# KiCad board panel.kicad_pcb
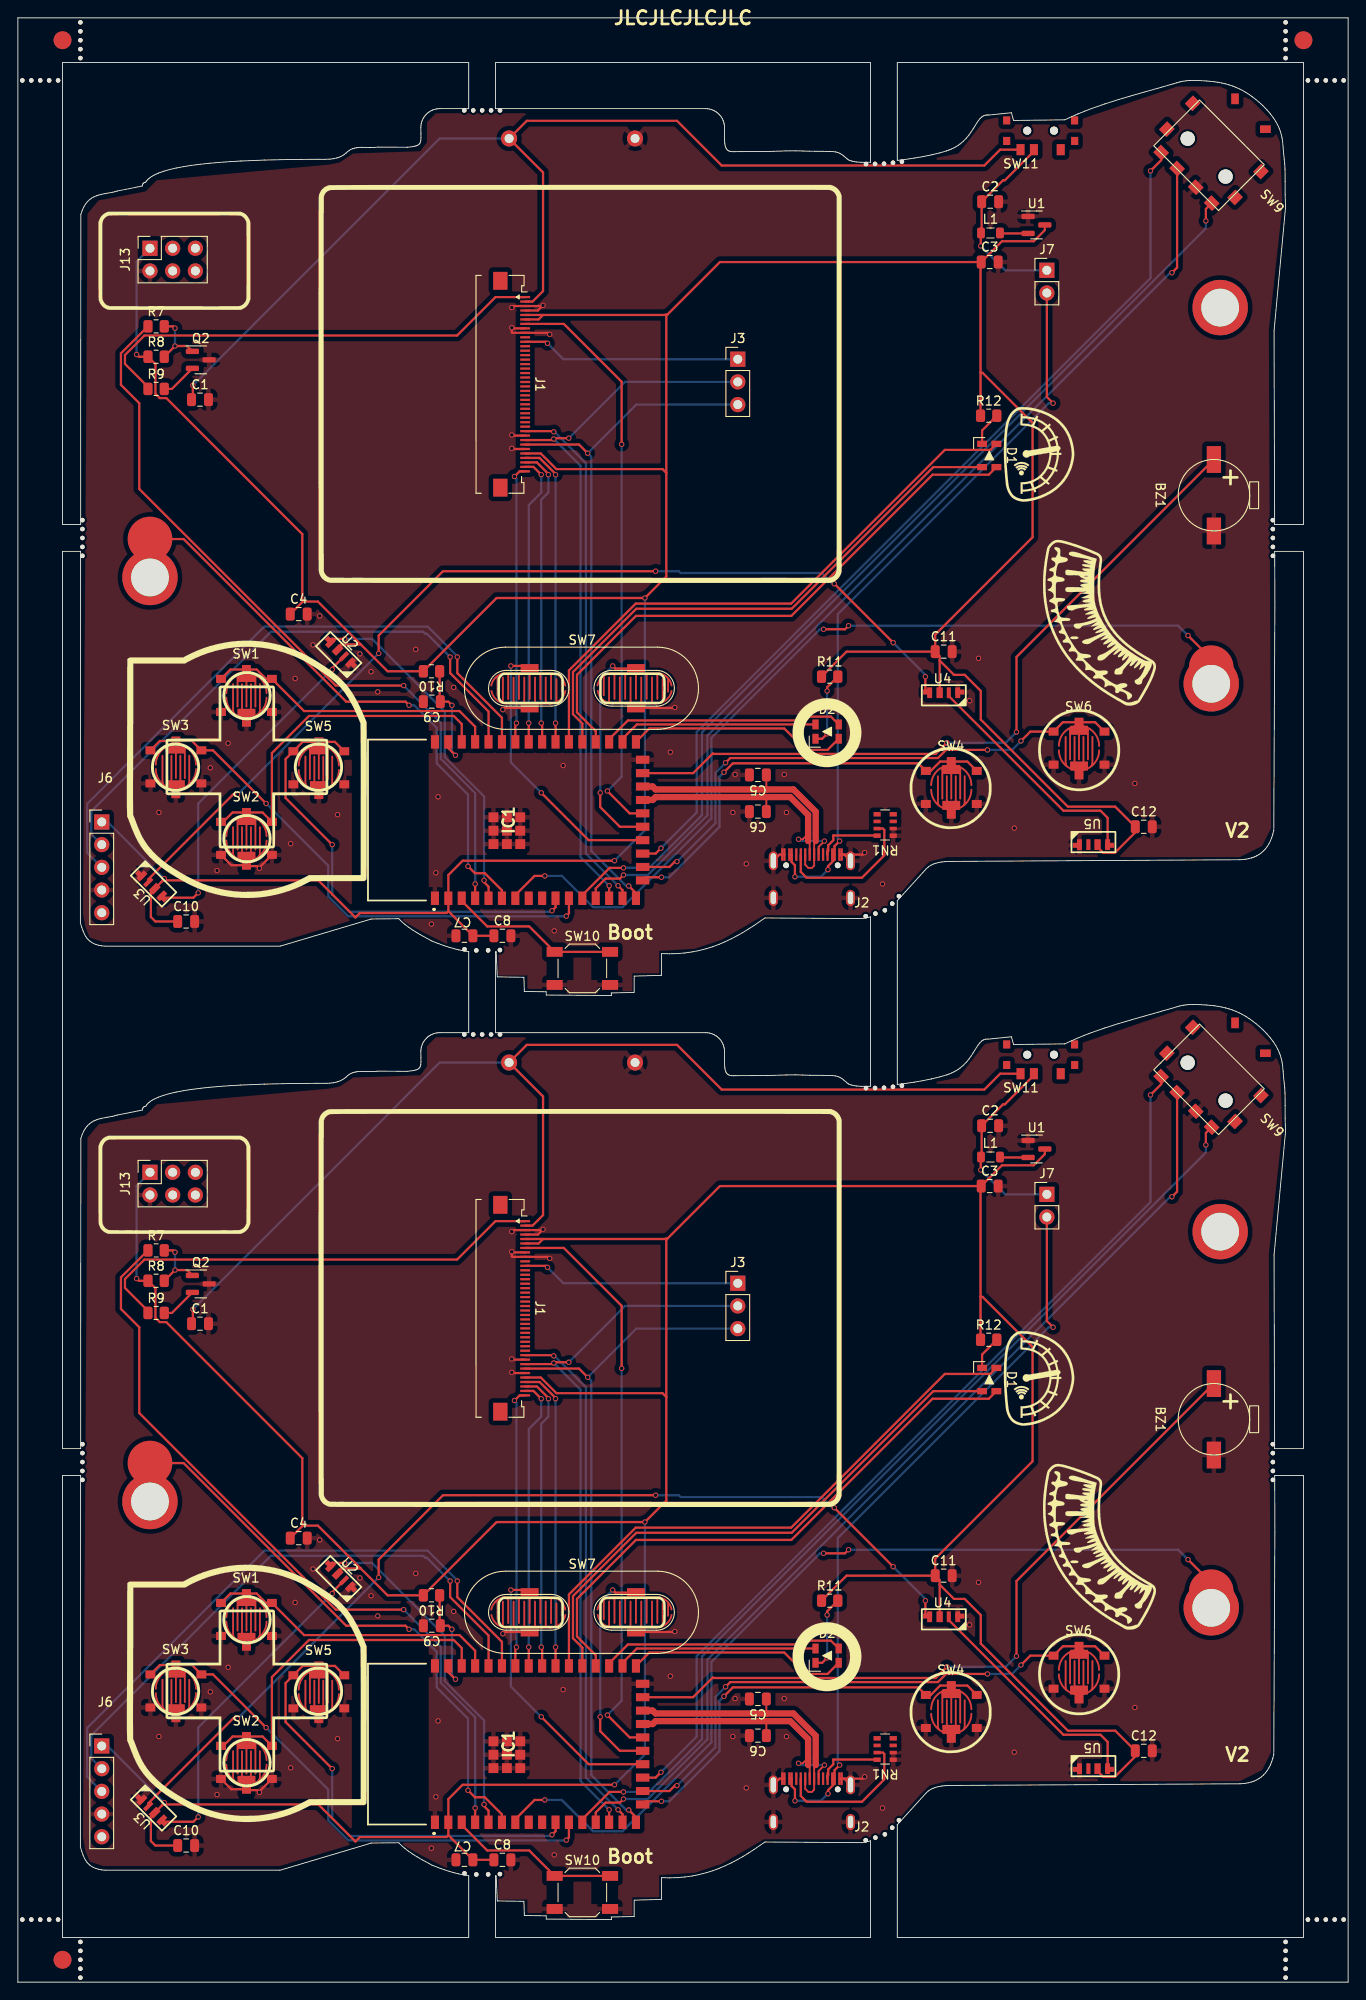
[diagram p0: board, top side]
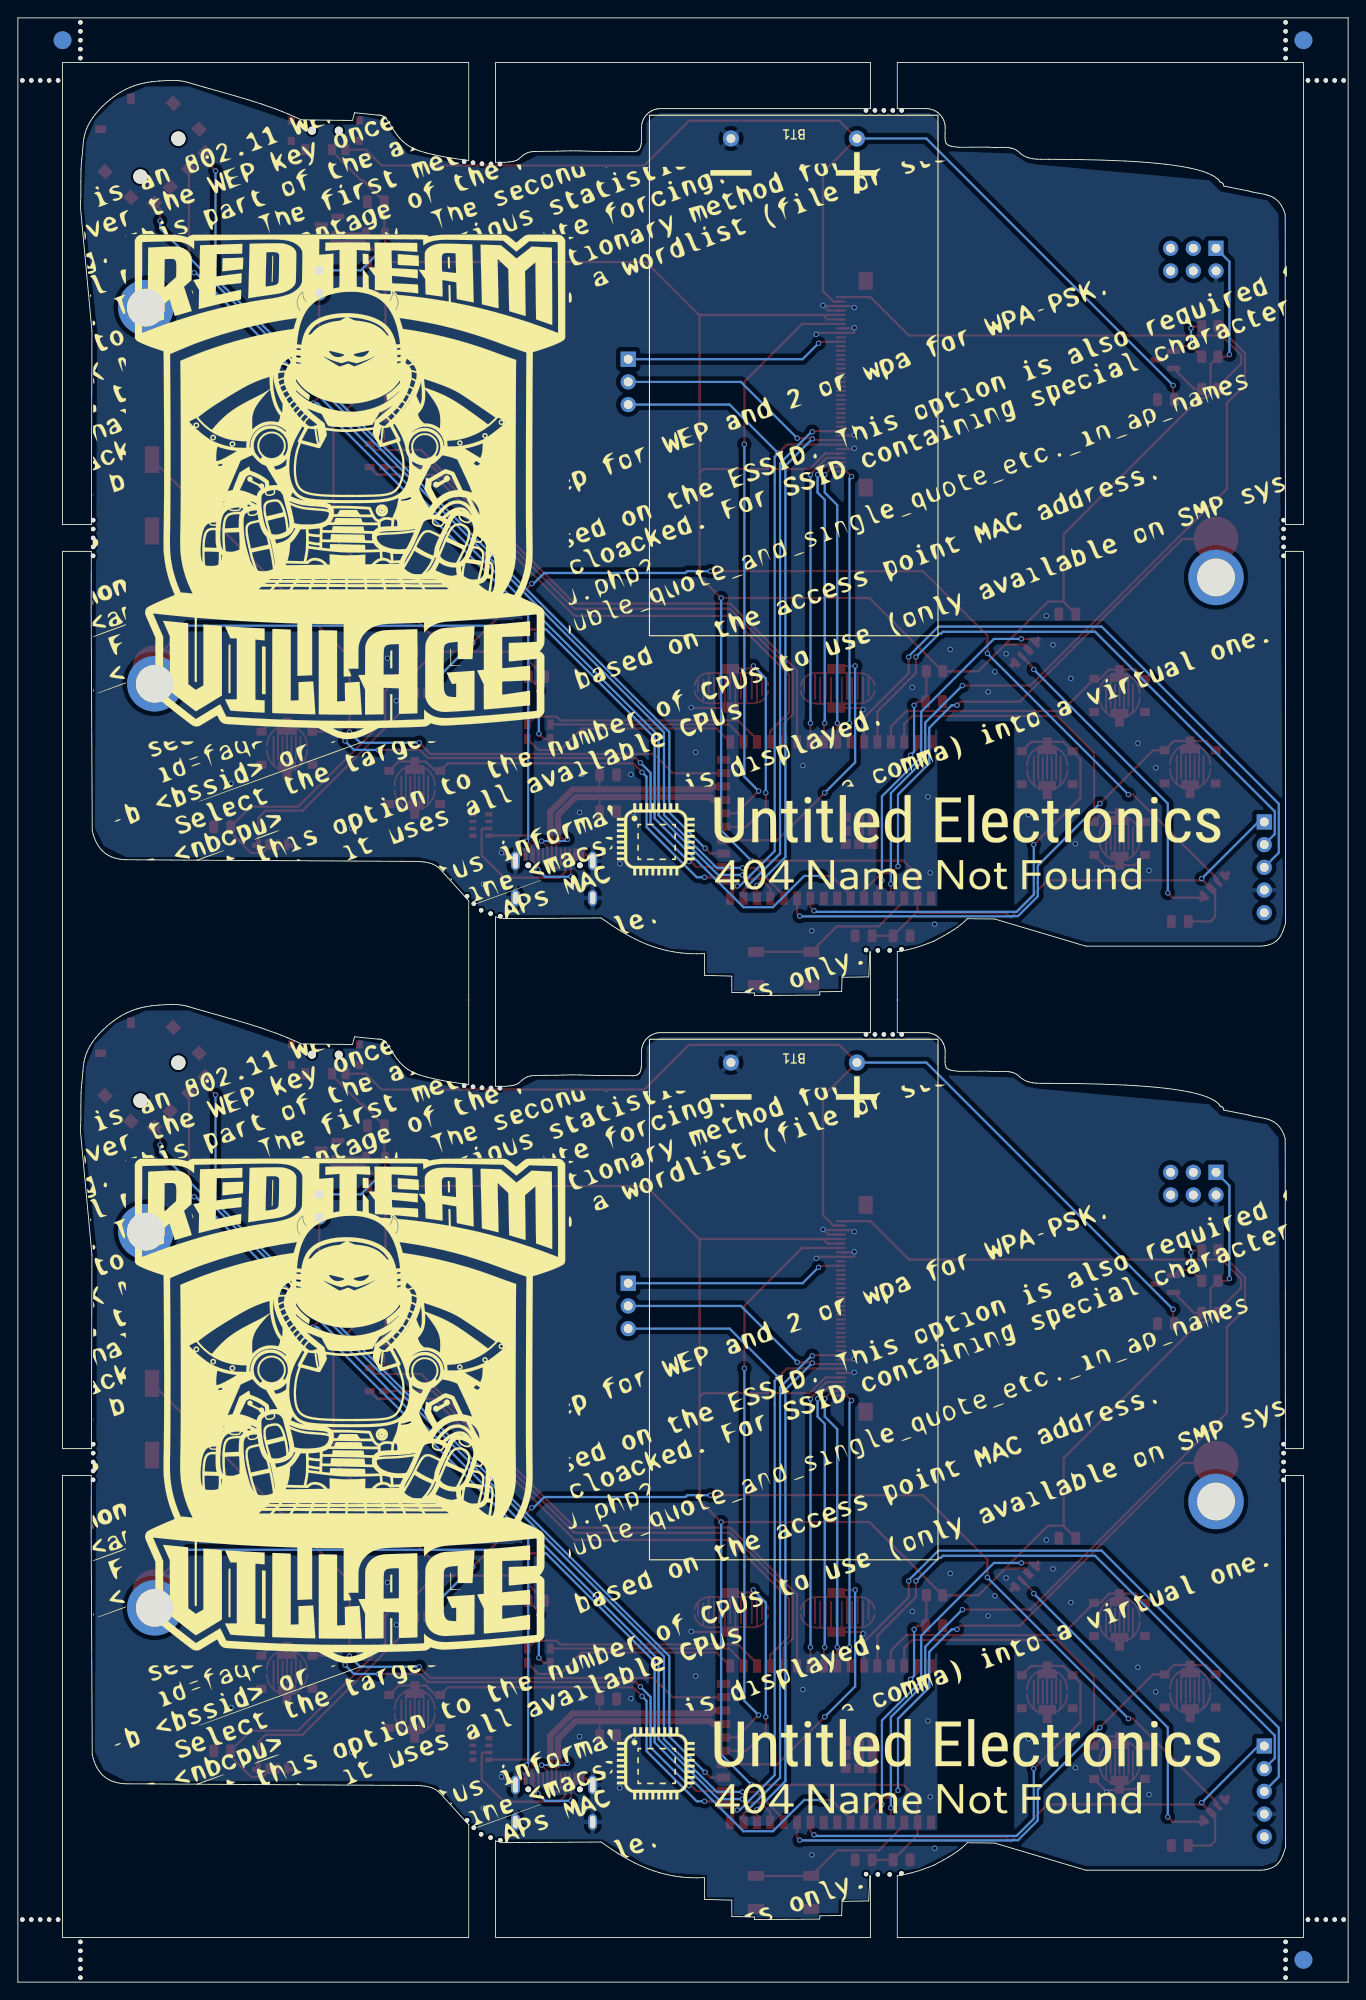
[diagram p1: board, bottom side, seen from below]

Outline 148.91 x 219.82 mm; copper layers: Top, Bottom. Coordinates in mm from the lower left corner of the outline.
Outline path: 0,219.82 0,0 148.91,0 148.91,219.82 0,219.82 ; 5,214.82 50.47,214.82 50.47,209.66 47.24,209.66 47.02,209.65 46.81,209.62 46.61,209.57 46.41,209.5 46.22,209.41 46.05,209.3 45.88,209.18 45.73,209.04 45.59,208.89 45.47,208.72 45.36,208.55 45.27,208.36 45.2,208.16 45.15,207.96 45.12,207.75 45.11,207.53 45.12,206.92 45.13,206.44 45.1,206.08 45.06,205.93 45.01,205.81 44.94,205.71 44.84,205.62 44.72,205.55 44.57,205.49 44.38,205.44 44.16,205.4 43.61,205.34 40.32,205.35 39.89,205.32 39.43,205.32 38.52,205.33 38.08,205.31 37.86,205.28 37.66,205.23 37.46,205.17 37.27,205.09 37.09,204.99 36.92,204.86 36.74,204.69 36.54,204.54 36.35,204.41 36.15,204.31 35.94,204.22 35.74,204.15 35.31,204.06 34.87,204.01 34.42,203.99 33.47,203.99 30.44,203.97 27.59,203.91 24.95,203.8 23.72,203.73 22.55,203.64 21.45,203.55 20.41,203.44 19.44,203.31 18.55,203.17 17.73,203.02 16.98,202.84 16.32,202.66 15.74,202.45 15.25,202.22 15.04,202.11 14.85,201.98 14.68,201.85 14.54,201.72 14.42,201.58 14.32,201.44 14.22,201.41 14.13,201.38 14.06,201.32 14.01,201.26 13.97,201.18 13.92,201 11.12,200.44 10.84,200.36 10.55,200.29 9.96,200.19 9.37,200.07 9.08,200 8.8,199.91 8.52,199.79 8.26,199.65 8.01,199.46 7.78,199.24 7.57,198.97 7.37,198.64 7.2,198.26 7.05,197.81 7.03,163.11 5,163.11 5,214.82 ; 5,160.11 7.02,160.11 7,118.51 7.14,118.07 7.3,117.63 7.48,117.22 7.6,117.02 7.73,116.83 7.88,116.66 8.05,116.5 8.25,116.36 8.48,116.23 8.75,116.12 9.04,116.04 9.38,115.97 9.76,115.93 29.36,115.94 39.56,118.97 42.64,119.01 42.96,118.68 43.34,118.36 43.76,118.04 44.22,117.73 44.71,117.42 45.24,117.11 46.36,116.5 47.05,116.23 47.69,116 48.28,115.81 48.83,115.65 49.34,115.53 49.82,115.43 50.26,115.36 50.47,115.33 50.47,106.25 47.24,106.25 47.02,106.24 46.81,106.21 46.61,106.16 46.41,106.09 46.22,106 46.05,105.89 45.88,105.77 45.73,105.63 45.59,105.48 45.47,105.31 45.36,105.14 45.27,104.95 45.2,104.75 45.15,104.55 45.12,104.34 45.11,104.12 45.12,103.51 45.13,103.03 45.1,102.67 45.06,102.52 45.01,102.4 44.94,102.3 44.84,102.21 44.72,102.14 44.57,102.08 44.38,102.03 44.16,102 43.61,101.93 40.32,101.95 39.89,101.91 39.43,101.91 38.52,101.92 38.08,101.9 37.86,101.87 37.66,101.82 37.46,101.76 37.27,101.68 37.09,101.58 36.92,101.45 36.74,101.28 36.54,101.13 36.35,101 36.15,100.9 35.94,100.81 35.74,100.74 35.31,100.65 34.87,100.6 34.42,100.58 33.47,100.59 30.44,100.56 27.59,100.5 24.95,100.39 23.72,100.32 22.55,100.23 21.45,100.14 20.41,100.03 19.44,99.9 18.55,99.76 17.73,99.61 16.98,99.43 16.32,99.25 15.74,99.04 15.25,98.81 15.04,98.7 14.85,98.57 14.68,98.44 14.54,98.31 14.42,98.17 14.32,98.03 14.22,98 14.13,97.97 14.06,97.91 14.01,97.85 13.97,97.77 13.92,97.59 11.12,97.03 10.84,96.95 10.55,96.88 9.96,96.78 9.37,96.66 9.08,96.59 8.8,96.5 8.52,96.38 8.26,96.24 8.01,96.05 7.78,95.83 7.57,95.56 7.37,95.23 7.2,94.85 7.05,94.4 7.03,59.7 5,59.7 5,160.11 ; 5,56.7 7.02,56.7 7,15.1 7.14,14.66 7.3,14.22 7.48,13.81 7.6,13.61 7.73,13.42 7.88,13.25 8.05,13.09 8.25,12.95 8.48,12.82 8.75,12.71 9.04,12.63 9.38,12.56 9.76,12.53 29.36,12.53 39.56,15.56 42.64,15.6 42.96,15.27 43.34,14.95 43.76,14.63 44.22,14.32 44.71,14.01 45.24,13.7 46.36,13.09 47.05,12.82 47.69,12.59 48.28,12.4 48.83,12.24 49.34,12.12 49.82,12.02 50.26,11.95 50.47,11.92 50.47,5 5,5 5,56.7 ; 13.16,157.21 13.16,157.37 13.19,157.53 13.23,157.69 13.28,157.84 13.35,157.98 13.43,158.12 13.53,158.25 13.64,158.37 13.76,158.48 13.89,158.58 14.03,158.66 14.17,158.73 14.33,158.78 14.48,158.82 14.64,158.85 14.81,158.86 14.97,158.85 15.13,158.82 15.28,158.78 15.44,158.73 15.58,158.66 15.72,158.58 15.85,158.48 15.97,158.37 16.08,158.25 16.18,158.12 16.26,157.98 16.33,157.84 16.38,157.69 16.42,157.53 16.45,157.37 16.45,157.21 16.45,157.04 16.42,156.88 16.38,156.73 16.33,156.57 16.26,156.43 16.18,156.29 16.08,156.16 15.97,156.04 15.85,155.93 15.72,155.83 15.58,155.75 15.44,155.68 15.28,155.63 15.13,155.59 14.97,155.56 14.81,155.56 14.64,155.56 14.48,155.59 14.33,155.63 14.17,155.68 14.03,155.75 13.89,155.83 13.76,155.93 13.64,156.04 13.53,156.16 13.43,156.29 13.35,156.43 13.28,156.57 13.23,156.73 13.19,156.88 13.16,157.04 13.16,157.21 ; 13.16,53.8 13.16,53.96 13.19,54.12 13.23,54.28 13.28,54.43 13.35,54.57 13.43,54.71 13.53,54.84 13.64,54.96 13.76,55.07 13.89,55.17 14.03,55.25 14.17,55.32 14.33,55.38 14.48,55.41 14.64,55.44 14.81,55.45 14.97,55.44 15.13,55.41 15.28,55.38 15.44,55.32 15.58,55.25 15.72,55.17 15.85,55.07 15.97,54.96 16.08,54.84 16.18,54.71 16.26,54.57 16.33,54.43 16.38,54.28 16.42,54.12 16.45,53.96 16.45,53.8 16.45,53.63 16.42,53.47 16.38,53.32 16.33,53.17 16.26,53.02 16.18,52.88 16.08,52.75 15.97,52.63 15.85,52.52 15.72,52.42 15.58,52.34 15.44,52.27 15.28,52.22 15.13,52.18 14.97,52.15 14.81,52.15 14.64,52.15 14.48,52.18 14.33,52.22 14.17,52.27 14.03,52.34 13.89,52.42 13.76,52.52 13.64,52.63 13.53,52.75 13.43,52.88 13.35,53.02 13.28,53.17 13.23,53.32 13.19,53.47 13.16,53.63 13.16,53.8 ; 53.47,214.82 95.44,214.82 95.44,203.66 94.42,203.65 93.84,203.7 93.59,203.74 93.36,203.79 93.16,203.85 92.99,203.93 92.85,204.02 92.74,204.12 92.43,204.38 92.26,204.51 92.06,204.64 91.83,204.74 91.54,204.82 91.2,204.86 90.79,204.86 90.07,204.89 88.64,204.9 87.88,204.92 87.01,204.94 86,204.93 83.96,204.87 80.33,204.85 80.09,204.84 79.89,204.85 79.71,204.89 79.56,204.94 79.44,205.02 79.34,205.13 79.27,205.25 79.21,205.4 79.16,205.58 79.13,205.78 79.11,206.26 79.11,207.53 79.1,207.75 79.06,207.96 79.01,208.16 78.94,208.36 78.85,208.55 78.74,208.72 78.62,208.89 78.48,209.04 78.33,209.18 78.17,209.3 77.99,209.41 77.8,209.5 77.61,209.57 77.4,209.62 77.19,209.65 76.97,209.66 53.47,209.66 53.47,214.82 ; 53.47,115.29 53.54,115.29 53.67,112.5 56.65,112.45 56.7,110.87 59.14,110.83 59.15,110.47 66.46,110.41 66.43,110.7 68.99,110.76 69,112.58 72.04,112.67 72.05,115.1 72.96,115.08 73.84,115.1 74.69,115.18 75.5,115.29 76.29,115.45 77.05,115.65 77.78,115.88 78.5,116.14 79.19,116.44 79.86,116.76 80.52,117.1 81.16,117.47 81.79,117.85 82.41,118.25 83.62,119.09 94.48,119.02 95.17,119.15 95.44,119.22 95.44,100.25 94.42,100.24 93.84,100.29 93.59,100.33 93.36,100.38 93.16,100.44 92.99,100.52 92.85,100.61 92.74,100.71 92.43,100.97 92.26,101.1 92.06,101.23 91.83,101.33 91.54,101.41 91.2,101.45 90.79,101.45 90.07,101.48 88.64,101.49 87.88,101.51 87.01,101.53 86,101.52 83.96,101.46 80.33,101.44 80.09,101.43 79.89,101.44 79.71,101.48 79.56,101.53 79.44,101.61 79.34,101.72 79.27,101.84 79.21,101.99 79.16,102.17 79.13,102.37 79.11,102.85 79.11,104.12 79.1,104.34 79.06,104.55 79.01,104.75 78.94,104.95 78.85,105.14 78.74,105.31 78.62,105.48 78.48,105.63 78.33,105.77 78.17,105.89 77.99,106 77.8,106.09 77.61,106.16 77.4,106.21 77.19,106.24 76.97,106.25 53.47,106.25 53.47,115.29 ; 53.47,11.88 53.54,11.88 53.67,9.09 56.65,9.04 56.7,7.46 59.14,7.42 59.15,7.06 66.46,7 66.43,7.29 68.99,7.35 69,9.17 72.04,9.26 72.05,11.69 72.96,11.67 73.84,11.69 74.69,11.77 75.5,11.88 76.29,12.04 77.05,12.24 77.78,12.47 78.5,12.73 79.19,13.03 79.86,13.35 80.52,13.69 81.16,14.06 81.79,14.44 82.41,14.84 83.62,15.68 94.48,15.61 95.17,15.74 95.44,15.81 95.44,5 53.47,5 53.47,11.88 ; 98.44,214.82 143.91,214.82 143.91,163.11 140.69,163.11 140.62,184.79 141.91,198.67 141.88,199.33 141.87,200.03 141.86,201.51 141.85,202.9 141.82,203.5 141.76,204.01 141.68,204.69 141.64,205.35 141.57,206.03 141.52,206.37 141.44,206.72 141.34,207.08 141.2,207.45 141.03,207.83 140.81,208.23 140.54,208.64 140.21,209.07 139.83,209.52 139.37,209.99 138.98,210.35 138.6,210.67 138.22,210.97 137.84,211.23 137.47,211.48 137.1,211.69 136.72,211.88 136.34,212.05 135.96,212.2 135.58,212.33 135.18,212.44 134.78,212.53 134.36,212.61 133.94,212.67 133.05,212.76 131.99,212.82 131.54,212.82 131.13,212.81 130.75,212.77 130.41,212.72 130.07,212.65 129.75,212.56 128,212.05 126.33,211.58 124.72,211.13 123.17,210.67 121.66,210.19 120.17,209.66 119.43,209.38 118.68,209.08 117.94,208.75 117.19,208.41 111.46,208.34 111.22,209.21 108.62,208.94 108.48,208.95 108.35,208.93 108.22,208.9 108.11,208.86 108,208.8 107.89,208.72 107.69,208.53 107.51,208.29 107.32,208.02 106.93,207.39 106.71,207.05 106.46,206.7 106.17,206.35 105.84,206.02 105.46,205.7 105.25,205.55 105.02,205.41 104.78,205.27 104.52,205.15 104.24,205.03 103.94,204.93 103.15,204.7 102.29,204.49 101.35,204.3 100.34,204.12 99.26,203.97 98.44,203.86 98.44,214.82 ; 98.44,121.02 101.69,124.6 101.92,124.8 102.18,124.97 102.46,125.11 102.77,125.22 103.09,125.3 103.43,125.35 103.78,125.39 104.14,125.42 136.82,125.61 137.16,125.63 137.49,125.67 137.8,125.73 138.11,125.81 138.4,125.92 138.68,126.04 138.95,126.2 139.2,126.38 139.43,126.58 139.65,126.82 139.85,127.08 140.04,127.38 140.21,127.71 140.35,128.07 140.48,128.46 140.59,128.9 140.71,153.79 140.69,160.11 143.91,160.11 143.91,59.7 140.69,59.7 140.62,81.38 141.91,95.26 141.88,95.92 141.87,96.62 141.86,98.1 141.85,99.49 141.82,100.09 141.76,100.6 141.68,101.28 141.64,101.95 141.57,102.62 141.52,102.96 141.44,103.31 141.34,103.67 141.2,104.04 141.03,104.42 140.81,104.82 140.54,105.23 140.21,105.66 139.83,106.11 139.37,106.58 138.98,106.94 138.6,107.26 138.22,107.56 137.84,107.82 137.47,108.07 137.1,108.28 136.72,108.47 136.34,108.64 135.96,108.79 135.58,108.92 135.18,109.03 134.78,109.12 134.36,109.2 133.94,109.26 133.05,109.35 131.99,109.41 131.54,109.41 131.13,109.4 130.75,109.36 130.41,109.31 130.07,109.24 129.75,109.15 128,108.64 126.33,108.17 124.72,107.72 123.17,107.26 121.66,106.78 120.17,106.25 119.43,105.97 118.68,105.67 117.94,105.34 117.19,105 111.46,104.93 111.22,105.8 108.62,105.53 108.48,105.54 108.35,105.52 108.22,105.5 108.11,105.45 108,105.39 107.89,105.31 107.69,105.12 107.51,104.89 107.32,104.61 106.93,103.98 106.71,103.64 106.46,103.29 106.17,102.95 105.84,102.61 105.46,102.29 105.25,102.14 105.02,102 104.78,101.86 104.52,101.74 104.24,101.62 103.94,101.52 103.15,101.29 102.29,101.08 101.35,100.89 100.34,100.71 99.26,100.56 98.44,100.45 98.44,121.02 ; 98.44,17.61 101.69,21.19 101.92,21.39 102.18,21.56 102.46,21.7 102.77,21.81 103.09,21.89 103.43,21.94 103.78,21.98 104.14,22.01 136.82,22.2 137.16,22.22 137.49,22.26 137.8,22.32 138.11,22.4 138.4,22.51 138.68,22.63 138.95,22.79 139.2,22.97 139.43,23.17 139.65,23.41 139.85,23.67 140.04,23.97 140.21,24.3 140.35,24.66 140.48,25.05 140.59,25.49 140.71,50.38 140.69,56.7 143.91,56.7 143.91,5 98.44,5 98.44,17.61 ; 132.02,145.31 132.03,145.48 132.06,145.64 132.1,145.79 132.15,145.95 132.22,146.09 132.3,146.23 132.4,146.36 132.51,146.48 132.63,146.59 132.76,146.69 132.9,146.77 133.04,146.84 133.19,146.89 133.35,146.93 133.51,146.96 133.67,146.96 133.84,146.96 134,146.93 134.15,146.89 134.31,146.84 134.45,146.77 134.59,146.69 134.72,146.59 134.84,146.48 134.95,146.36 135.05,146.23 135.13,146.09 135.2,145.95 135.25,145.79 135.29,145.64 135.32,145.48 135.32,145.31 135.32,145.15 135.29,144.99 135.25,144.83 135.2,144.68 135.13,144.54 135.05,144.4 134.95,144.27 134.84,144.15 134.72,144.04 134.59,143.94 134.45,143.86 134.31,143.79 134.15,143.74 134,143.7 133.84,143.67 133.67,143.66 133.51,143.67 133.35,143.7 133.19,143.74 133.04,143.79 132.9,143.86 132.76,143.94 132.63,144.04 132.51,144.15 132.4,144.27 132.3,144.4 132.22,144.54 132.15,144.68 132.1,144.83 132.06,144.99 132.03,145.15 132.02,145.31 ; 132.02,41.91 132.03,42.07 132.06,42.23 132.1,42.38 132.15,42.54 132.22,42.68 132.3,42.82 132.4,42.95 132.51,43.07 132.63,43.18 132.76,43.28 132.9,43.36 133.04,43.43 133.19,43.48 133.35,43.52 133.51,43.55 133.67,43.55 133.84,43.55 134,43.52 134.15,43.48 134.31,43.43 134.45,43.36 134.59,43.28 134.72,43.18 134.84,43.07 134.95,42.95 135.05,42.82 135.13,42.68 135.2,42.54 135.25,42.38 135.29,42.23 135.32,42.07 135.32,41.91 135.32,41.74 135.29,41.58 135.25,41.43 135.2,41.27 135.13,41.13 135.05,40.99 134.95,40.86 134.84,40.74 134.72,40.63 134.59,40.53 134.45,40.45 134.31,40.38 134.15,40.33 134,40.29 133.84,40.26 133.67,40.26 133.51,40.26 133.35,40.29 133.19,40.33 133.04,40.38 132.9,40.45 132.76,40.53 132.63,40.63 132.51,40.74 132.4,40.86 132.3,40.99 132.22,41.13 132.15,41.27 132.1,41.43 132.06,41.58 132.03,41.74 132.02,41.91 ; 132.96,187.39 132.97,187.56 132.99,187.72 133.03,187.88 133.09,188.03 133.16,188.18 133.24,188.31 133.34,188.44 133.44,188.56 133.56,188.66 133.69,188.76 133.82,188.84 133.97,188.91 134.12,188.97 134.28,189.01 134.44,189.03 134.61,189.04 134.78,189.03 134.94,189.01 135.1,188.97 135.25,188.91 135.4,188.84 135.53,188.76 135.66,188.66 135.78,188.56 135.88,188.44 135.98,188.31 136.06,188.18 136.13,188.03 136.19,187.88 136.23,187.72 136.25,187.56 136.26,187.39 136.25,187.23 136.23,187.07 136.19,186.91 136.13,186.76 136.07,186.61 135.98,186.48 135.89,186.35 135.78,186.22 135.66,186.11 135.52,186.02 135.39,185.94 135.24,185.87 135.09,185.81 134.93,185.77 134.77,185.75 134.61,185.74 134.45,185.75 134.29,185.77 134.13,185.81 133.98,185.87 133.83,185.94 133.69,186.02 133.56,186.11 133.44,186.22 133.33,186.35 133.24,186.48 133.15,186.61 133.09,186.76 133.03,186.91 132.99,187.07 132.97,187.23 132.96,187.39 ; 132.96,83.98 132.97,84.15 132.99,84.31 133.03,84.47 133.09,84.62 133.16,84.77 133.24,84.9 133.34,85.03 133.44,85.15 133.56,85.25 133.69,85.35 133.82,85.43 133.97,85.5 134.12,85.56 134.28,85.6 134.44,85.62 134.61,85.63 134.78,85.62 134.94,85.6 135.1,85.56 135.25,85.5 135.4,85.43 135.53,85.35 135.66,85.25 135.78,85.15 135.88,85.03 135.98,84.9 136.06,84.77 136.13,84.62 136.19,84.47 136.23,84.31 136.25,84.15 136.26,83.98 136.25,83.82 136.23,83.66 136.19,83.5 136.13,83.35 136.07,83.2 135.98,83.07 135.89,82.94 135.78,82.81 135.66,82.7 135.52,82.61 135.39,82.53 135.24,82.46 135.09,82.4 134.93,82.36 134.77,82.34 134.61,82.33 134.45,82.34 134.29,82.36 134.13,82.4 133.98,82.46 133.83,82.53 133.69,82.61 133.56,82.7 133.44,82.81 133.33,82.94 133.24,83.07 133.15,83.2 133.09,83.35 133.03,83.5 132.99,83.66 132.97,83.82 132.96,83.98
Stack: Top 0.035mm / dielectric 1.51mm FR4 er 4.5 / Bottom 0.035mm

## Placement (name value [footprint] x y rotation side)
BT1  Battery  [AA_TH]  62.04 102.91 180 bottom
BT1#2  Battery  [AA_TH]  62.04 206.32 180 bottom
BZ1  Buzzer  [FUET-9032-Buzzer]  133.89 66.99 270 top
BZ1#2  Buzzer  [FUET-9032-Buzzer]  133.89 170.4 270 top
C1  1uF  [C_0805_2012Metric]  20.39 73.69 0 top
C1#2  1uF  [C_0805_2012Metric]  20.39 177.1 0 top
C2  10uF  [C_0805_2012Metric]  108.84 95.84 0 top
C2#2  10uF  [C_0805_2012Metric]  108.84 199.25 0 top
C3  22uF  [C_0805_2012Metric]  108.79 89.09 0 top
C3#2  22uF  [C_0805_2012Metric]  108.79 192.5 0 top
C4  100nF  [C_0805_2012Metric]  31.44 153.1 0 top
C4#2  100nF  [C_0805_2012Metric]  31.44 49.69 0 top
C5  20pF  [C_0805_2012Metric]  82.84 135.1 180 top
C5#2  20pF  [C_0805_2012Metric]  82.84 31.69 180 top
C6  20pF  [C_0805_2012Metric]  82.84 131 180 top
C6#2  20pF  [C_0805_2012Metric]  82.84 27.59 180 top
C7  22uF  [C_0805_2012Metric]  49.99 117.1 180 top
C7#2  22uF  [C_0805_2012Metric]  49.99 13.69 180 top
C8  100nF  [C_0805_2012Metric]  54.24 13.69 0 top
C8#2  100nF  [C_0805_2012Metric]  54.24 117.1 0 top
C9  100nF  [C_0805_2012Metric]  46.34 143.3 180 top
C9#2  100nF  [C_0805_2012Metric]  46.34 39.89 180 top
C10  100nF  [C_0805_2012Metric]  18.84 118.7 0 top
C10#2  100nF  [C_0805_2012Metric]  18.84 15.29 0 top
C11  100nF  [C_0805_2012Metric]  103.64 45.49 0 top
C11#2  100nF  [C_0805_2012Metric]  103.64 148.9 0 top
C12  100nF  [C_0805_2012Metric]  126.04 129.3 0 top
C12#2  100nF  [C_0805_2012Metric]  126.04 25.89 0 top
D1  LED_RGBA  [XL-3227RGB_LED]  108.74 170.85 270 top
D1#2  LED_RGBA  [XL-3227RGB_LED]  108.74 67.44 270 top
D2  LED_RGBA  [XL-3227RGB_LED]  90.59 36.54 0 top
D2#2  LED_RGBA  [XL-3227RGB_LED]  90.59 139.95 0 top
G***  -  [LOGO]  47.88 143.64 0 top
G***#2  -  [LOGO]  47.88 143.64 0 top
G***#3  -  [LOGO]  47.88 40.23 0 top
G***#4  -  [LOGO]  47.88 143.64 0 top
G***#5  -  [LOGO]  47.88 40.23 0 top
G***#6  -  [LOGO]  47.88 143.64 0 top
G***#7  -  [LOGO]  47.88 143.64 0 top
G***#8  -  [LOGO]  47.88 143.64 0 top
G***#9  -  [LOGO]  47.88 40.23 0 top
G***#10  -  [LOGO]  47.88 40.23 0 top
G***#11  -  [LOGO]  47.88 143.64 0 top
G***#12  -  [LOGO]  47.88 40.23 0 top
G***#13  -  [LOGO]  47.88 40.23 0 top
G***#14  -  [LOGO]  47.88 40.23 0 top
IC1  ESP32-S2-WROOM-I_M22S2H3200US3Q0_  [ESP32S2WROOMIM22S2H3200US3Q0]  54.74 25.45 90 top
IC1#2  ESP32-S2-WROOM-I_M22S2H3200US3Q0_  [ESP32S2WROOMIM22S2H3200US3Q0]  54.74 128.86 90 top
J1  2.8" Display  [Omron_XF2M-4015-1A_1x40-1MP_P0.5mm_Horizontal]  54.74 75.41 270 top
J1#2  2.8" Display  [Omron_XF2M-4015-1A_1x40-1MP_P0.5mm_Horizontal]  54.74 178.82 270 top
J2  USB_C_Plug_USB2.0  [USB_C_Receptical-Jing]  88.89 125.48 0 top
J2#2  USB_C_Plug_USB2.0  [USB_C_Receptical-Jing]  88.89 22.07 0 top
J3  Conn_01x03  [PinHeader_1x03_P2.54mm_Vertical]  80.59 181.62 0 top
J3#2  Conn_01x03  [PinHeader_1x03_P2.54mm_Vertical]  80.59 78.21 0 top
J4  Cap Sense  [CapSense]  14.79 54.09 0 top
J4#2  Cap Sense  [CapSense]  14.79 157.5 0 top
J5  Cap Sense  [CapSense]  133.59 39.69 0 top
J5#2  Cap Sense  [CapSense]  133.59 143.1 0 top
J6  Conn_01x05  [PinHeader_1x05_P2.54mm_Vertical]  9.39 26.43 0 top
J6#2  Conn_01x05  [PinHeader_1x05_P2.54mm_Vertical]  9.39 129.84 0 top
J7  Conn_01x02  [PinHeader_1x02_P2.54mm_Vertical]  115.19 191.57 0 top
J7#2  Conn_01x02  [PinHeader_1x02_P2.54mm_Vertical]  115.19 88.16 0 top
J9  Conn_01x01  [Threaded_Standoffs]  133.79 38.79 0 top
J9#2  Conn_01x01  [Threaded_Standoffs]  133.79 142.2 0 top
J10  Conn_01x01  [Threaded_Standoffs]  134.79 80.89 0 top
J10#2  Conn_01x01  [Threaded_Standoffs]  134.79 184.3 0 top
J11  Conn_01x01  [Threaded_Standoffs]  14.99 154.1 0 top
J11#2  Conn_01x01  [Threaded_Standoffs]  14.99 50.69 0 top
J13  Conn_02x03_Odd_Even  [PinSocket_2x03_P2.54mm_Vertical]  14.79 194.04 90 top
J13#2  Conn_02x03_Odd_Even  [PinSocket_2x03_P2.54mm_Vertical]  14.79 90.63 90 top
L1  10uH  [L_0805_2012Metric]  108.88 195.75 0 top
L1#2  10uH  [L_0805_2012Metric]  108.88 92.34 0 top
Q2  Q_NPN_BCE  [SOT-23]  20.48 181.55 0 top
Q2#2  Q_NPN_BCE  [SOT-23]  20.48 78.14 0 top
R7  1k  [R_0805_2012Metric]  15.48 81.89 0 top
R7#2  1k  [R_0805_2012Metric]  15.48 185.3 0 top
R8  10k  [R_0805_2012Metric]  15.48 181.9 0 top
R8#2  10k  [R_0805_2012Metric]  15.48 78.49 0 top
R9  10R  [R_0805_2012Metric]  15.48 74.89 0 top
R9#2  10R  [R_0805_2012Metric]  15.48 178.3 0 top
R10  1k  [R_0805_2012Metric]  46.3 43.29 180 top
R10#2  1k  [R_0805_2012Metric]  46.3 146.7 180 top
R11  R_Small  [R_0805_2012Metric]  90.88 146.1 0 top
R11#2  R_Small  [R_0805_2012Metric]  90.88 42.69 0 top
R12  R_Small  [R_0805_2012Metric]  108.68 71.89 0 top
R12#2  R_Small  [R_0805_2012Metric]  108.68 175.3 0 top
REF**  -  [NPTH]  141.91 1.5 0 top
REF**#2  -  [NPTH]  97.88 120.69 0 top
REF**#3  -  [NPTH]  146.41 212.82 0 top
REF**#4  -  [NPTH]  7 218.32 0 top
REF**#5  -  [NPTH]  140.49 58.2 0 top
REF**#6  -  [NPTH]  147.41 7 0 top
REF**#7  -  [NPTH]  4.5 7 0 top
REF**#8  -  [NPTH]  53.97 115.5 0 top
REF**#9  -  [NPTH]  7 2.5 0 top
REF**#10  -  [NPTH]  140.49 161.61 0 top
REF**#11  -  [NPTH]  98.96 100.32 0 top
REF**#12  -  [NPTH]  4.5 212.82 0 top
REF**#13  -  [NPTH]  0.5 7 0 top
REF**#14  -  [NPTH]  51.97 106.05 0 top
REF**#15  -  [NPTH]  140.48 60.2 0 top
REF**#16  -  [NPTH]  7 4.5 0 top
REF**#17  -  [NPTH]  7 219.32 0 top
REF**#18  -  [NPTH]  98.63 18.12 0 top
REF**#19  -  [NPTH]  52.97 106.05 0 top
REF**#20  -  [NPTH]  141.91 217.32 0 top
REF**#21  -  [NPTH]  95.99 16.17 0 top
REF**#22  -  [NPTH]  140.48 163.61 0 top
REF**#23  -  [NPTH]  7.23 162.61 0 top
REF**#24  -  [NPTH]  148.41 212.82 0 top
REF**#25  -  [NPTH]  141.91 2.5 0 top
REF**#26  -  [NPTH]  7.23 60.2 0 top
REF**#27  -  [NPTH]  2.5 212.82 0 top
REF**#28  -  [NPTH]  141.91 0.5 0 top
REF**#29  -  [NPTH]  7.22 159.61 0 top
REF**#30  -  [NPTH]  7 217.32 0 top
REF**#31  -  [Fiducial]  5 217.32 0 top
REF**#32  -  [NPTH]  7.23 59.2 0 top
REF**#33  -  [NPTH]  7 3.5 0 top
REF**#34  -  [NPTH]  141.91 216.32 0 top
REF**#35  -  [NPTH]  97.96 100.2 0 top
REF**#36  -  [NPTH]  50 12.18 0 top
REF**#37  -  [NPTH]  51.97 209.46 0 top
REF**#38  -  [NPTH]  50.97 209.46 0 top
REF**#39  -  [NPTH]  140.5 56.2 0 top
REF**#40  -  [NPTH]  95.95 203.47 0 top
REF**#41  -  [NPTH]  144.41 212.82 0 top
REF**#42  -  [NPTH]  94.91 15.88 0 top
REF**#43  -  [NPTH]  141.91 219.32 0 top
REF**#44  -  [NPTH]  141.91 218.32 0 top
REF**#45  -  [NPTH]  50.97 106.05 0 top
REF**#46  -  [NPTH]  51.32 12.05 0 top
REF**#47  -  [NPTH]  140.49 160.61 0 top
REF**#48  -  [NPTH]  53.97 209.46 0 top
REF**#49  -  [NPTH]  7.23 161.61 0 top
REF**#50  -  [NPTH]  7.23 58.2 0 top
REF**#51  -  [NPTH]  141.91 4.5 0 top
REF**#52  -  [NPTH]  7.23 160.61 0 top
REF**#53  -  [NPTH]  95.99 119.58 0 top
REF**#54  -  [NPTH]  97.96 203.6 0 top
REF**#55  -  [NPTH]  1.5 212.82 0 top
REF**#56  -  [NPTH]  52.64 12.06 0 top
REF**#57  -  [NPTH]  144.41 7 0 top
REF**#58  -  [NPTH]  96.96 203.5 0 top
REF**#59  -  [NPTH]  148.41 7 0 top
REF**#60  -  [NPTH]  2.5 7 0 top
REF**#61  -  [NPTH]  3.5 7 0 top
REF**#62  -  [NPTH]  7.23 57.2 0 top
REF**#63  -  [NPTH]  140.49 162.61 0 top
REF**#64  -  [NPTH]  97.06 119.95 0 top
REF**#65  -  [NPTH]  53.97 12.09 0 top
REF**#66  -  [NPTH]  7 1.5 0 top
REF**#67  -  [NPTH]  7.23 163.61 0 top
REF**#68  -  [Fiducial]  5 2.5 0 top
REF**#69  -  [NPTH]  94.95 203.46 0 top
REF**#70  -  [NPTH]  145.41 7 0 top
REF**#71  -  [NPTH]  141.91 215.32 0 top
REF**#72  -  [NPTH]  7 216.32 0 top
REF**#73  -  [NPTH]  145.41 212.82 0 top
REF**#74  -  [NPTH]  98.96 203.73 0 top
REF**#75  -  [NPTH]  94.95 100.05 0 top
REF**#76  -  [NPTH]  53.97 106.05 0 top
REF**#77  -  [NPTH]  7 215.32 0 top
REF**#78  -  [NPTH]  147.41 212.82 0 top
REF**#79  -  [NPTH]  94.91 119.29 0 top
REF**#80  -  [NPTH]  50 115.59 0 top
REF**#81  -  [NPTH]  140.49 59.2 0 top
REF**#82  -  [NPTH]  96.96 100.09 0 top
REF**#83  -  [Fiducial]  143.91 217.32 0 top
REF**#84  -  [NPTH]  52.64 115.47 0 top
REF**#85  -  [NPTH]  146.41 7 0 top
REF**#86  -  [NPTH]  140.49 57.2 0 top
REF**#87  -  [NPTH]  1.5 7 0 top
REF**#88  -  [NPTH]  95.95 100.06 0 top
REF**#89  -  [NPTH]  0.5 212.82 0 top
REF**#90  -  [NPTH]  3.5 212.82 0 top
REF**#91  -  [NPTH]  49.97 209.46 0 top
REF**#92  -  [NPTH]  140.5 159.61 0 top
REF**#93  -  [NPTH]  52.97 209.46 0 top
REF**#94  -  [NPTH]  141.91 3.5 0 top
REF**#95  -  [NPTH]  97.88 17.28 0 top
REF**#96  -  [NPTH]  49.97 106.05 0 top
REF**#97  -  [NPTH]  7.22 56.2 0 top
REF**#98  -  [NPTH]  97.06 16.54 0 top
REF**#99  -  [NPTH]  51.32 115.46 0 top
REF**#100  -  [NPTH]  7 0.5 0 top
REF**#101  -  [NPTH]  98.63 121.53 0 top
REF**#102  -  [Fiducial]  143.91 217.32 0 bottom
REF**#103  -  [Fiducial]  5 217.32 0 bottom
REF**#104  -  [Fiducial]  5 2.5 0 bottom
RN1  5.1k  [R_Array_Convex_4x0603]  97.09 129.5 180 top
RN1#2  5.1k  [R_Array_Convex_4x0603]  97.09 26.09 180 top
SW1  Up  [BZCN-TSC005A_Button]  25.59 40.59 0 top
SW1#2  Up  [BZCN-TSC005A_Button]  25.59 144 0 top
SW2  Down  [BZCN-TSC005A_Button]  25.59 128 0 top
SW2#2  Down  [BZCN-TSC005A_Button]  25.59 24.59 0 top
SW3  Left  [BZCN-TSC005A_Button]  17.69 32.59 0 top
SW3#2  Left  [BZCN-TSC005A_Button]  17.69 136 0 top
SW4  A  [BZCN-TSC005A_Button]  104.49 30.29 0 top
SW4#2  A  [BZCN-TSC005A_Button]  104.49 133.7 0 top
SW5  Right  [BZCN-TSC005A_Button]  33.69 135.9 0 top
SW5#2  Right  [BZCN-TSC005A_Button]  33.69 32.49 0 top
SW6  B  [BZCN-TSC005A_Button]  118.79 138.1 0 top
SW6#2  B  [BZCN-TSC005A_Button]  118.79 34.69 0 top
SW7  Start/Sel  [StartSel]  63.09 41.39 0 top
SW7#2  Start/Sel  [StartSel]  63.09 144.8 0 top
SW9  RotaryEncoder_Switch  [SIQ-02FVS3_Encoder]  136.26 207.36 315 top
SW9#2  RotaryEncoder_Switch  [SIQ-02FVS3_Encoder]  136.26 103.95 315 top
SW10  Boot  [SW_SPST_SKQG_WithoutStem]  63.19 113.45 0 top
SW10#2  Boot  [SW_SPST_SKQG_WithoutStem]  63.19 10.04 0 top
SW11  SW_SPDT  [SK-3296S_switch]  114.49 207.2 0 top
SW11#2  SW_SPDT  [SK-3296S_switch]  114.49 103.79 0 top
U1  ~  [SOT-23]  114.03 93.24 0 top
U1#2  ~  [SOT-23]  114.03 196.65 0 top
U2  -  [SK6812_Side]  34.34 150.26 315 top
U2#2  -  [SK6812_Side]  34.34 46.85 315 top
U3  -  [SK6812_Side]  16.76 17.79 135 top
U3#2  -  [SK6812_Side]  16.76 121.2 135 top
U4  -  [SK6812_Side]  101.34 144.1 0 top
U4#2  -  [SK6812_Side]  101.34 40.69 0 top
U5  -  [SK6812_Side]  122.71 127.5 180 top
U5#2  -  [SK6812_Side]  122.71 24.09 180 top

## Library data of the parts
BT1 BT1#2 = -: Description: Multiple-cell battery
BZ1 BZ1#2 = -: Description: Buzzer, polarized
C1 C1#2 C2 C2#2 C3 C3#2 C4 C4#2 C5 C5#2 C6 C6#2 C7 C7#2 C8 C8#2 C9 C9#2 C10 C10#2 C11 C11#2 C12 C12#2 = -: Description: Unpolarized capacitor, small symbol
D1 D1#2 D2 D2#2 = -: Description: RGB LED, red/green/blue/anode
IC1 IC1#2 = -: Description: WiFi Modules (802.11) SMD module , ESP32-S2, 4 MB SPI flash, IPEX antenna connector,-40 C +105 C; Height: 3.45; Manufacturer_Name: Espressif Systems; Manufacturer_Part_Number: ESP32-S2-WROOM-I(M22S2H3200US3Q0); Mouser Part Number: 356-ESP32S2WRMI320US; Mouser Price/Stock: https://www.mouser.co.uk/ProductDetail/Espressif-Systems/ESP32-S2-WROOM-IM22S2H3200US3Q0?qs=W%2FMpXkg%252BdQ6NhxEeKuPVlg%3D%3D
J1 J1#2 = -: Description: Generic connector, single row, 01x40, script generated (kicad-library-utils/schlib/autogen/connector/)
J2 J2#2 = -: Description: USB 2.0-only Type-C Plug connector
J3 J3#2 = -: Description: Generic connector, single row, 01x03, script generated (kicad-library-utils/schlib/autogen/connector/)
J4 J4#2 J5 J5#2 J9 J9#2 J10 J10#2 J11 J11#2 = -: Description: Generic connector, single row, 01x01, script generated (kicad-library-utils/schlib/autogen/connector/)
J6 J6#2 = -: Description: Generic connector, single row, 01x05, script generated (kicad-library-utils/schlib/autogen/connector/)
J7 J7#2 = -: Description: Generic connector, single row, 01x02, script generated (kicad-library-utils/schlib/autogen/connector/)
J13 J13#2 = -: Description: Generic connector, double row, 02x03, odd/even pin numbering scheme (row 1 odd numbers, row 2 even numbers), script generated (kicad-library-utils/schlib/autogen/connector/)
L1 L1#2 = -: Description: Inductor, small symbol
Q2 Q2#2 = -: Description: NPN transistor, base/collector/emitter
R7 R7#2 R8 R8#2 R9 R9#2 R10 R10#2 R11 R11#2 R12 R12#2 = -: Description: Resistor, small symbol
RN1 RN1#2 = -: Description: 4 resistor network, parallel topology
SW1 SW1#2 SW2 SW2#2 SW3 SW3#2 SW4 SW4#2 SW5 SW5#2 SW6 SW6#2 = -: Description: Push button switch, normally open, two pins, 45° tilted
SW7 SW7#2 = -: Description: Switch, single pole double throw, center OFF position
SW9 SW9#2 = -: Description: Rotary encoder, dual channel, incremental quadrate outputs, with switch
SW10 SW10#2 = -: Description: Push button switch, generic, two pins
SW11 SW11#2 = -: Description: Switch, single pole double throw

## Footprints (pads in the part's own frame, mm; a bottom-side part is the same pattern mirrored in y, then rotated)
AA_TH
  round 1.8 hole 1: 1(7.05,0) 2(-7.05,0)
BZCN-TSC005A_Button
  rect 2x1 smd: (0,2) (0,-2)
  rect 1.1x0.9 smd: 1(-2.85,1.85) 1(2.85,1.85) 2(-2.85,-1.85) 2(2.85,-1.85)
  rect 1x1 smd: 1(0,2.9) 2(0,-3)
C_0805_2012Metric
  rrect 1x1.45 smd: 1(-0.95,0) 2(0.95,0)
CapSense
  round 5 smd: 1(0,4)
ESP32S2WROOMIM22S2H3200US3Q0
  rect 1.5x0.9 smd: 1(-7.56,8.05) 2(-7.56,6.55) 3(-7.56,5.05) 4(-7.56,3.55) 5(-7.56,2.05) 6(-7.56,0.55) 7(-7.56,-0.95) 8(-7.56,-2.45) 9(-7.56,-3.95) 10(-7.56,-5.45) 11(-7.56,-6.95) 12(-7.56,-8.45) 13(-7.56,-9.95) 14(-7.56,-11.45) 15(-7.56,-12.95) 16(-7.56,-14.45) 27(9.94,-14.45) 28(9.94,-12.95) 29(9.94,-11.45) 30(9.94,-9.95) 31(9.94,-8.45) 32(9.94,-6.95) 33(9.94,-5.45) 34(9.94,-3.95) 35(9.94,-2.45) 36(9.94,-0.95) 37(9.94,0.55) 38(9.94,2.05) 39(9.94,3.55) 40(9.94,5.05) 41(9.94,6.55) 42(9.94,8.05)
  rect 0.9x1.5 smd: 17(-5.56,-15.2) 18(-4.06,-15.2) 19(-2.56,-15.2) 20(-1.06,-15.2) 21(0.44,-15.2) 22(1.94,-15.2) 23(3.44,-15.2) 24(4.94,-15.2) 25(6.44,-15.2) 26(7.94,-15.2)
  rect 1.1x1.1 smd: 43(0,0) 44(-1.5,0) 45(-1.5,-1.5) 46(0,-1.5) 47(1.5,-1.5) 48(1.5,0) 49(1.5,1.5) 50(0,1.5) 51(-1.5,1.5)
Fiducial
  round 2 smd: (0,0)
FUET-9032-Buzzer
  rect 3x1.6 smd: 1(0,0) 2(8,0)
L_0805_2012Metric
  rrect 0.875x1.2 smd: 1(-1.062,0) 2(1.062,0)
NPTH
  round 0.5 hole 0.5 unplated: (0,0)
Omron_XF2M-4015-1A_1x40-1MP_P0.5mm_Horizontal
  rect 2x1.6 smd: (-11.575,-0.73) (11.575,-0.73)
  rect 0.25x1.1 smd: 1(-9.75,2.05) 2(-9.25,2.05) 3(-8.75,2.05) 4(-8.25,2.05) 5(-7.75,2.05) 6(-7.25,2.05) 7(-6.75,2.05) 8(-6.25,2.05) 9(-5.75,2.05) 10(-5.25,2.05) 11(-4.75,2.05) 12(-4.25,2.05) 13(-3.75,2.05) 14(-3.25,2.05) 15(-2.75,2.05) 16(-2.25,2.05) 17(-1.75,2.05) 18(-1.25,2.05) 19(-0.75,2.05) 20(-0.25,2.05) 21(0.25,2.05) 22(0.75,2.05) 23(1.25,2.05) 24(1.75,2.05) 25(2.25,2.05) 26(2.75,2.05) 27(3.25,2.05) 28(3.75,2.05) 29(4.25,2.05) 30(4.75,2.05) 31(5.25,2.05) 32(5.75,2.05) 33(6.25,2.05) 34(6.75,2.05) 35(7.25,2.05) 36(7.75,2.05) 37(8.25,2.05) 38(8.75,2.05) 39(9.25,2.05) 40(9.75,2.05)
PinHeader_1x02_P2.54mm_Vertical
  rect 1.7x1.7 hole 1: 1(0,0)
  oval 1.7x1.7 hole 1: 2(0,-2.54)
PinHeader_1x03_P2.54mm_Vertical
  rect 1.7x1.7 hole 1: 1(0,0)
  oval 1.7x1.7 hole 1: 2(0,-2.54) 3(0,-5.08)
PinHeader_1x05_P2.54mm_Vertical
  rect 1.7x1.7 hole 1: 1(0,0)
  oval 1.7x1.7 hole 1: 2(0,-2.54) 3(0,-5.08) 4(0,-7.62) 5(0,-10.16)
PinSocket_2x03_P2.54mm_Vertical
  rect 1.7x1.7 hole 1: 1(0,0)
  oval 1.7x1.7 hole 1: 2(-2.54,0) 3(0,-2.54) 4(-2.54,-2.54) 5(0,-5.08) 6(-2.54,-5.08)
R_0805_2012Metric
  rrect 1.025x1.4 smd: 1(-0.912,0) 2(0.912,0)
R_Array_Convex_4x0603
  rect 0.8x0.5 smd: 1(-0.9,1.2) 4(-0.9,-1.2) 5(0.9,-1.2) 8(0.9,1.2)
  rect 0.8x0.4 smd: 2(-0.9,0.4) 3(-0.9,-0.4) 6(0.9,-0.4) 7(0.9,0.4)
SIQ-02FVS3_Encoder
  rect 1.2x1.3 smd: (-5.4,-1.3) (-5.4,-5.4) (5.4,-1.3) (5.4,-5.4)
  round 1.6 hole 1.6 unplated: (-3,-4.5) (3,-4.5)
  rect 1.2x0.85 smd rot 135: (-2.404,2.404)
  rect 1.2x0.85 smd rot 45: (2.404,2.404)
  rect 1.3x1.2 smd: A(-4,-7.7) B(4,-7.7) C(1.475,-7.7) S(-1.475,-7.7)
SK6812_Side
  rect 1x0.55 smd: 1(0.5,0.275) 4(4.1,0.275)
  rect 0.55x1.2 smd: 1(0.725,0.2) 4(3.875,0.2)
  rect 0.7x1.2 smd: 2(1.85,0.2)
  rect 0.45x1.2 smd: 3(2.875,0.2)
SK-3296S_switch
  round 0.9 hole 0.9 unplated: (-1.5,0) (1.5,0)
  rect 0.9x1.25 smd: 1(-2.25,-2.125) 2(-0.75,-2.125) 3(2.25,-2.125)
  rect 0.8x0.9 smd: 4(-3.8,1.15) 4(-3.8,-1.15) 4(3.8,1.15) 4(3.81,-1.15)
SOT-23
  rrect 1.475x0.6 smd: 1(-0.938,0.95) 2(-0.938,-0.95) 3(0.938,0)
StartSel
  rect 2x1 smd: 1(-5.8,2.2) 2(-5.8,-2.2) 2(6.1,-2.2) 3(6.1,2.2)
SW_SPST_SKQG_WithoutStem
  rect 1.8x1.1 smd: 1(-3.1,1.85) 1(3.1,1.85) 2(-3.1,-1.85) 2(3.1,-1.85)
Threaded_Standoffs
  round 6.2 hole 4.22: 1(-0.2,3.1)
USB_C_Receptical-Jing
  round 0.65 hole 0.65 unplated: (-2.89,-0.5) (2.89,-0.5)
  rect 0.25x1.4 smd: A1(-3.325,0.7) A4(-2.525,0.7) A5(-1.25,0.7) A6(-0.25,0.7) A7(0.25,0.7) A8(-1.75,0.7) A9(2.525,0.7) A12(3.325,0.7) B1(3.075,0.7) B4(2.275,0.7) B5(1.75,0.7) B6(0.75,0.7) B7(-0.75,0.7) B8(1.25,0.7) B9(-2.275,0.7) B12(-3.075,0.7)
  oval 1x2.1 hole 0.6x1.7: S1(-4.32,0) S1(4.32,0)
  oval 1x1.8 hole 0.6x1.4: S1(-4.32,-4.15) S1(4.32,-4.15)
XL-3227RGB_LED
  rect 0.7x1.1 smd: 1(-1.3,0.8) 2(1.3,0.8) 3(-1.3,-0.8) 4(1.3,-0.8)
